# Altium PCB Pleiades_Frouf.PcbDoc (part 10 of 12) (continued)
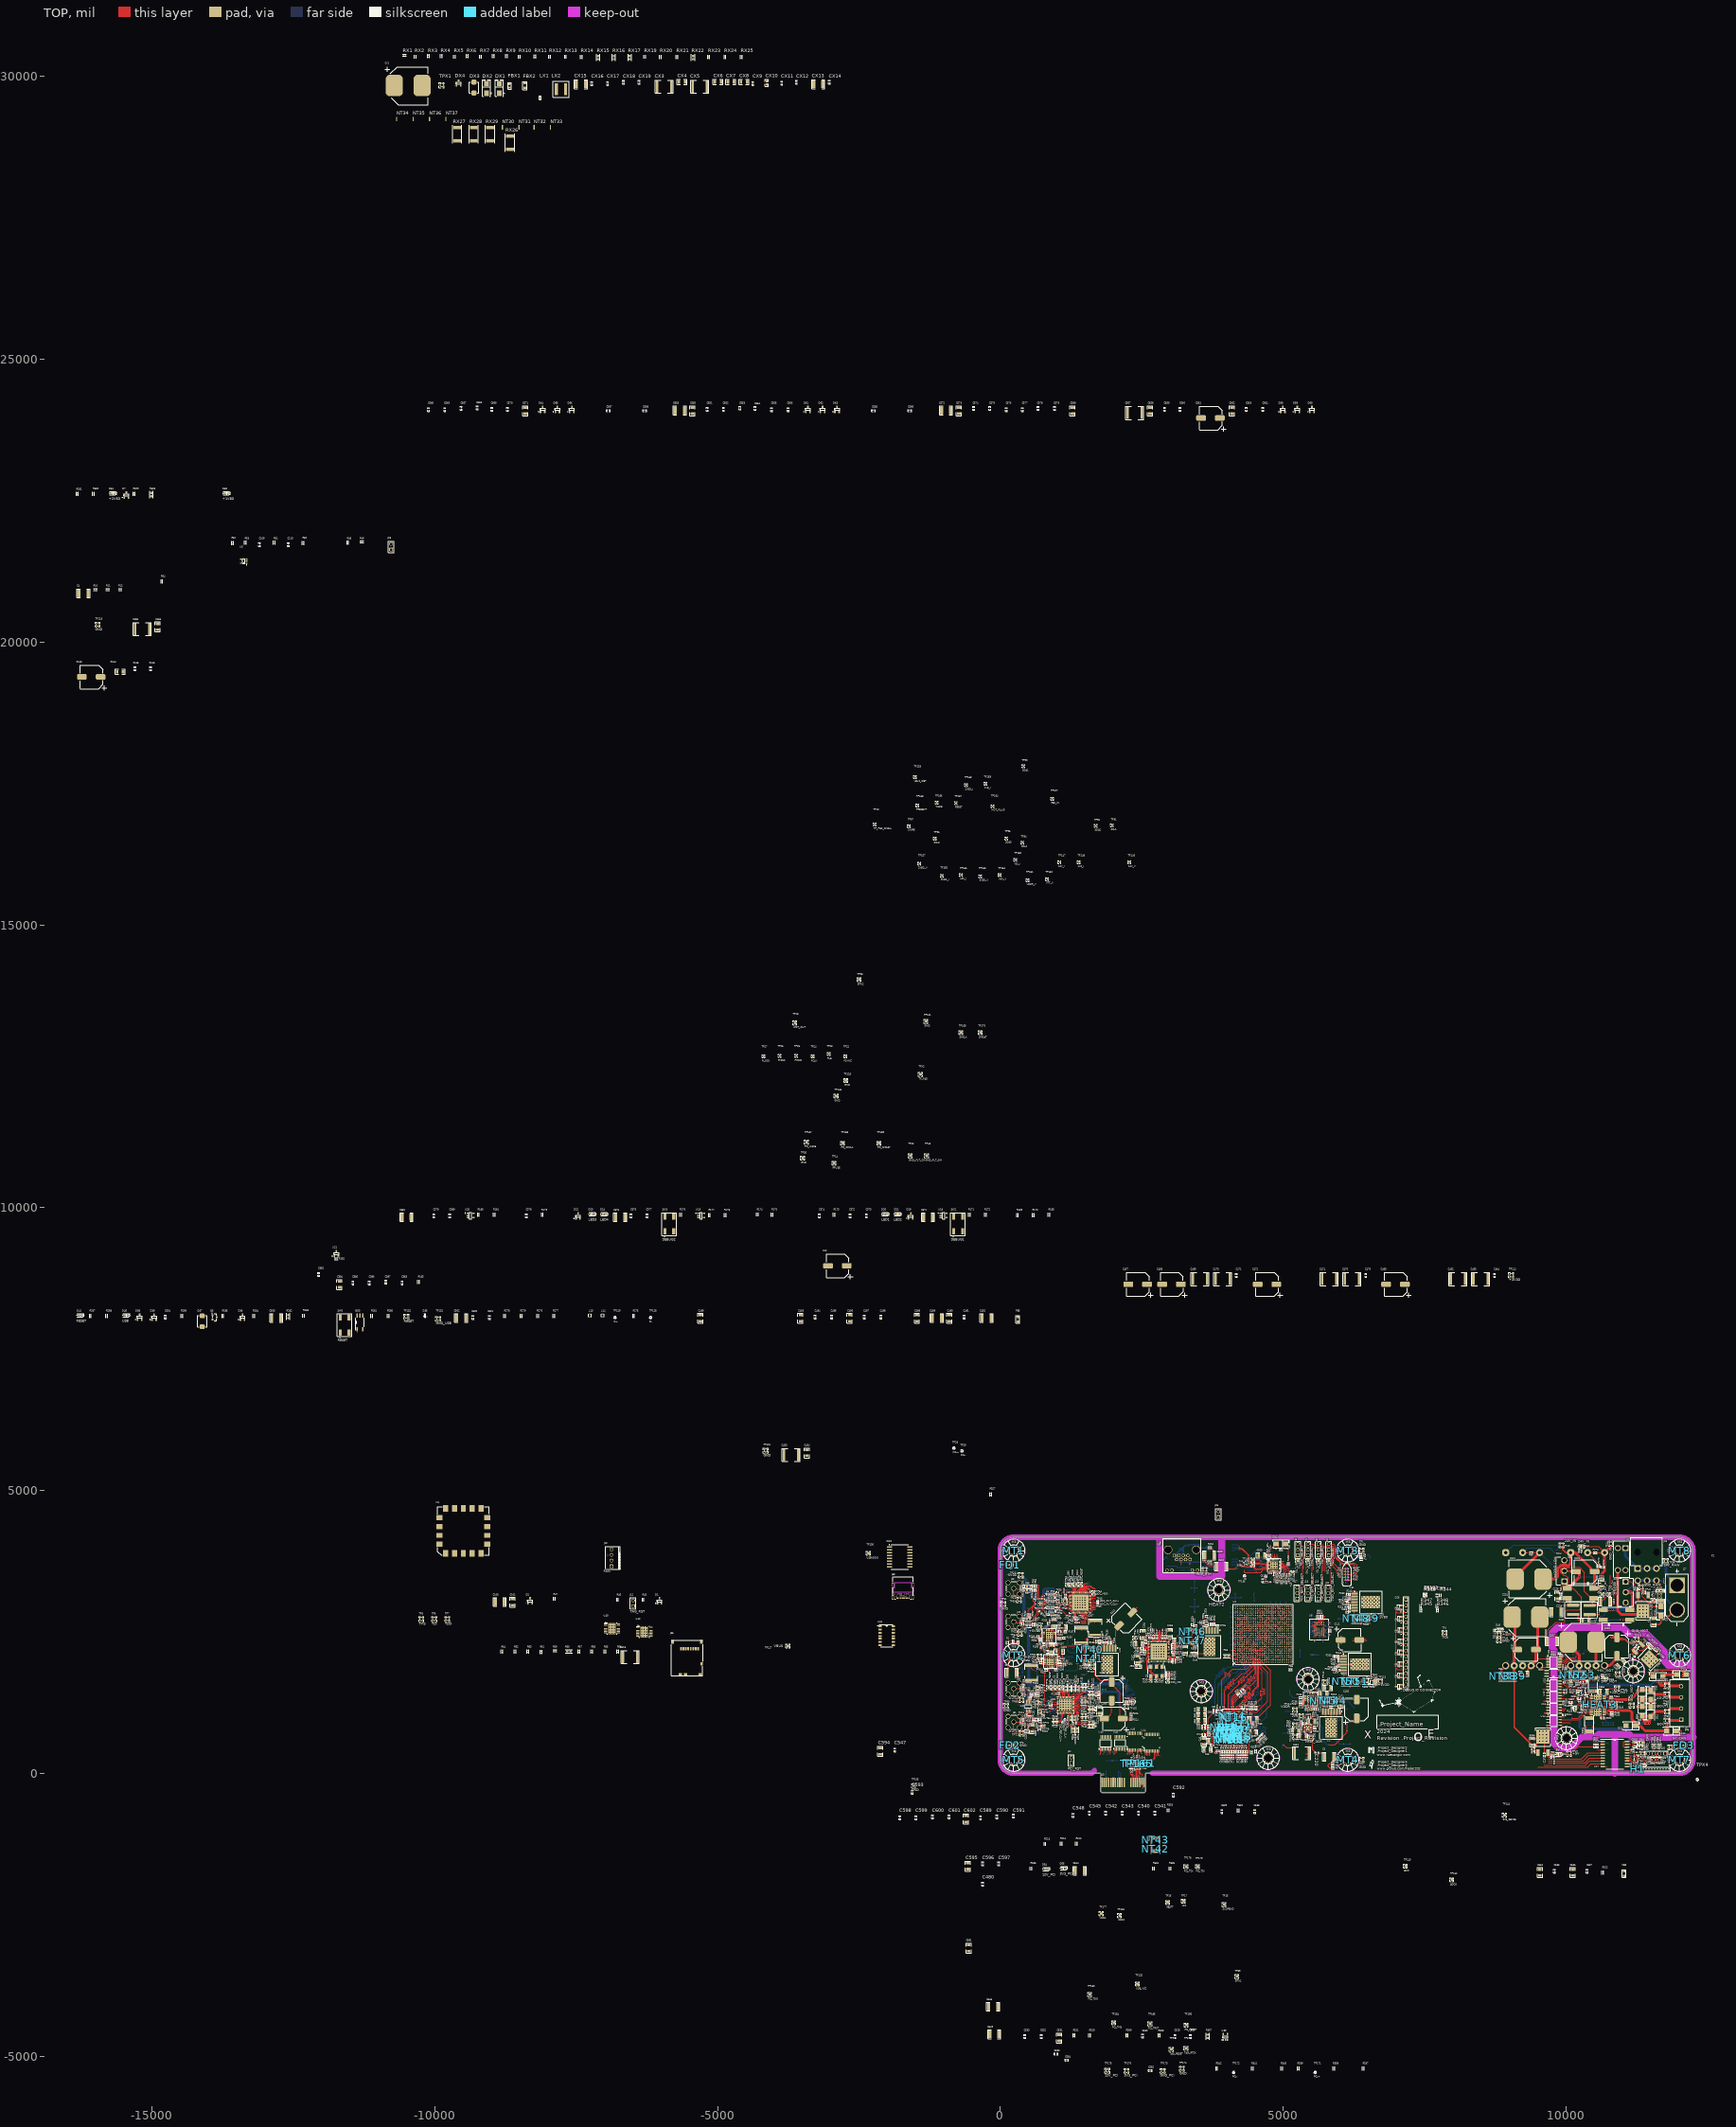
[diagram p0: TOP view]
## Nets (pads, with @x,y where several pads share a name; then routed paths per layer and width w, separated by ;. In a path a pad name is that pad's centre, name@x,y a point inside that pad or via, vN(x,y) a via of type N, cw(c..) or ccw(c..) an arc to the next point about the centre after c; other vN are vias at no path point) (continued)
  BOT w10: v1(9996.71,2117.44) U34.3@10062.95,2117.44 ; U35.2@10284.37,1607.92 10323.41,1607.92 v1(10334.56,1619.06) ; C478.2@10329.25,2187.86 10348.77,2187.86 v1(10369.19,2167.44)
  other v1: 10872.68,1028.1 11431.68,1173.67 10064.83,1189.15 11431.68,1302.46 9894.37,1848.57
  other v2: 10009.8,540 9969.69,550.97 10049.8,550.72 9940.51,580 10079.08,580 9929.8,620 10089.8,620 9940.51,660 10079.08,660 9969.8,689.28 10049.8,689.28 10009.8,700 11190.9,1721.1 11150.79,1732.07 11230.9,1731.82 11121.62,1761.1 11260.18,1761.1 11110.9,1801.1 11270.9,1801.1 11121.62,1841.1 11260.18,1841.1 11150.9,1870.38 11230.9,1870.38 11190.9,1881.1
  other v3: 10523.71,1027.66 10567.02,1027.66 10523.71,1070.96 10610.33,1114.27 10610.33,1157.58 10523.71,1200.89 10610.33,1200.89 10523.71,1244.19 10567.02,1244.19 10610.33,1244.19 10523.71,1287.5 10567.02,1287.5 10610.33,1287.5 10523.71,1330.81 10610.33,1330.81 10523.71,1374.11 10567.02,1374.11
  other v5: 11508.09,1900.48 11465.66,1942.9 11550.51,1942.9 11423.24,1985.33 11508.09,1985.33 11592.94,1985.33 11380.81,2027.76 11465.66,2027.76 11423.24,2070.18 11508.09,2070.18 11465.66,2112.61
GND_RAW: C227.2 C230.2 D3.2 J26.4 J26.5 J26.6 J27.2 L3.3 R83.2 SW1.2 TP41.1 | length 2950.1
  TOP w25: L3.3@11131.22,2888.58 11153.78,2866.02 v4(11225.98,2866.02) ; L3.3@11180,2915.45 11191.19,2904.26 v4(11225.98,2904.26) ; J26.4@11270,3405 11284.14,3390.86 11284.14,3337.6 TP41.1@11330,3291.73 11397.55,3224.18 R83.2@11397.55,3215.48 ; C230.2@11550.51,2627 11553.51,2630 v1(11623.15,2630) 11650,2630 11681.15,2661.15 v1(11681.15,2710) D3.2@11681.15,2782.54 11826.31,2782.54 11932.23,2888.46 J27.2@11967.87,2888.46 ; J26.6@11600.71,3405 11675,3330.71 C227.2@11675,3221
  TOP w60: SW1.2@11057.63,3201.05 v4(11144.85,3201.05) 11171.89,3174.02 v4(11171.89,3170.44) 11175.46,3170.44 11180,3165.9 L3.3@11180,2915.45
  BOT w25: SW1.2@11057.63,3201.05 SW1.2@11061.84,3201.05 ; J26.4@11265.79,3405 J26.4@11270,3405 ; J26.6@11590.55,3406.97 11692.69,3406.97 11775,3324.66 11775,3081.34 J27.2@11967.87,2888.46
  BOT w35: SW1.2@11061.84,3201.05 J26.4@11265.79,3405
  BOT w50: J26.4@11270,3406.97 J26.6@11590.55,3406.97
HOT_PLUG_16: J40.A1 J40.B17 TP164.1 U45.6 | length 256.9
  TOP w6: J40.B17@2505.91,-141.73 2505.91,-225.39 2522.51,-242 v7(2522.51,-261.6)
  BOT w6: v7(1772.51,-261.6) 1772.51,-246.06 1797.24,-221.33 J40.A1@1797.24,-141.73
HSI0_N: R332.2 U2.D5 U44.15
HSI0_P: R332.1 U2.E6 U44.16
HSO0_N: U2.A2 U44.13
HSO0_P: U2.A3 U44.14
INTRP: R290.2 U2.M21 U38.21 | length 183.8
  TOP w6: U2.M21@4590.55,2751.97 v1(4608.76,2770.17) ; U38.21@4940.47,3688.21 5093.11,3688.21 R290.2@5096.89,3684.43
IO0: D25.2 J37.2 U2.AF12 | length 111.7
  TOP w6: U2.AF12@5141.73,2397.64 v1(5159.34,2380)
  TOP w20: D25.2@7088.27,2967 7089.3,2968.03 7173.14,2968.03 J37.2@7174.17,2969.06
IO1: D26.2 J37.4 U2.AD12 | length 110.5
  TOP w6: U2.AD12@5062.99,2397.64 5063.71,2397.64 v1(5081.34,2380)
  TOP w20: D26.2@7090.17,2767 7091.2,2768.03 7173.14,2768.03 J37.4@7174.17,2769.06
IO2: D27.2 J37.6 U2.AD13 | length 112.1
  TOP w6: U2.AD13@5062.99,2437.01 5081.34,2418.66 v1(5082.61,2418.66) ; D27.2@7090.17,2567 D27.2@7092.22,2569.06
  TOP w20: D27.2@7092.22,2569.06 J37.6@7174.17,2569.06
IO3: D28.2 J37.8 U2.AC13 | length 115.2
  TOP w6: U2.AC13@5023.62,2437.01 5042.28,2418.35 v1(5042.28,2414.61)
  TOP w20: D28.2@7089.98,2366.93 7091.05,2367.99 7173.1,2367.99 J37.8@7174.17,2369.06
IO4: D29.2 J37.10 U2.AB13 | length 118.6
  TOP w6: v1(4960,2415) 4982.01,2437.01 U2.AB13@4984.25,2437.01
  TOP w20: D29.2@7090.17,2172 7091.64,2170.53 7172.7,2170.53 J37.10@7174.17,2169.06
IO5: D30.2 J37.12 U2.AA13 | length 113.8
  TOP w6: v1(4924.25,2456.7) 4943.94,2437.01 U2.AA13@4944.88,2437.01
  TOP w20: D30.2@7089.98,1967 7091.01,1968.03 7173.14,1968.03 J37.12@7174.17,1969.06
IO6: D31.2 J37.14 U2.Y13 | length 115.6
  TOP w6: v1(4883.82,2458.74) U2.Y13@4905.51,2437.05
  TOP w20: D31.2@7090.17,1767 7091.2,1768.03 7173.14,1768.03 J37.14@7174.17,1769.06
IO7: D32.2 J37.16 U2.W13 | length 111.7
  TOP w6: U2.W13@4866.14,2437.01 4866.65,2437.01 v1(4885,2418.66)
  TOP w20: D32.2@7089.8,1567 7090.83,1568.03 7173.14,1568.03 J37.16@7174.17,1569.06
LDM: NT16.2 U1.E7 U2.J3 | length 3142.2
  TOP w8.89: v1(4147.02,977.75) 4147.86,977.75 4155.79,969.82 4171.92,969.82 U1.E7@4173.23,968.5 ; v1(4458.48,2029.04) 4458.48,2029.19 4472.44,2043.16 U2.J3@4472.44,2043.31
  IN1 w5.75: v1(4147.02,977.75) 4148.17,978.9 4148.17,998.26 4154.46,1004.55 4156.49,1006.58 ccw(c4147.39,1015.69) 4156.49,1024.79 4139.35,1041.94 cw(c4148.45,1051.04) 4139.35,1060.15 cw(c4148.45,1051.04) 4157.56,1060.15 4178.71,1038.99 ccw(c4187.82,1048.1) 4196.92,1038.99 ccw(c4187.82,1048.1) 4196.92,1057.2 4180.64,1073.48 cw(c4189.75,1082.59) 4180.64,1091.7 cw(c4189.75,1082.59) 4198.85,1091.7 4211.12,1079.43 ccw(c4220.23,1088.53) 4229.34,1079.43 4245.2,1095.29 4279.96,1130.05 4279.96,1135.86 4279.96,1138.74 ccw(c4267.08,1138.74) 4267.08,1151.62 4265.33,1151.62 cw(c4265.33,1164.49) 4265.33,1177.37 4344.68,1177.37 ccw(c4344.68,1190.25) 4344.68,1203.13 4265.33,1203.13 cw(c4265.33,1216) 4265.33,1228.88 4344.68,1228.88 ccw(c4344.68,1241.76) 4344.68,1254.63 4265.33,1254.63 cw(c4265.33,1267.51) 4265.33,1280.39 4344.68,1280.39 ccw(c4344.68,1293.27) 4344.68,1306.14 4265.33,1306.14 cw(c4265.33,1319.02) 4265.33,1331.9 4344.68,1331.9 ccw(c4344.68,1344.78) 4344.68,1357.65 4265.33,1357.65 cw(c4265.33,1370.53) 4265.33,1383.41 4267.08,1383.41 ccw(c4267.08,1396.28) 4279.96,1396.28 4279.96,1421.63 4279.96,1440.34 4279.96,1443.22 ccw(c4267.08,1443.22) 4267.08,1456.1 4264.87,1456.1 cw(c4264.87,1468.97) 4264.87,1481.85 4304.27,1481.85 ccw(c4304.27,1494.73) 4304.27,1507.61 4264.87,1507.61 cw(c4264.87,1520.48) 4264.87,1533.36 4304.27,1533.36 ccw(c4304.27,1546.24) 4304.27,1559.11 4264.87,1559.11 cw(c4264.87,1571.99) 4264.87,1584.87 4304.27,1584.87 ccw(c4304.27,1597.75) 4304.27,1610.62 4264.87,1610.62 cw(c4264.87,1623.5) 4264.87,1636.38 4304.27,1636.38 ccw(c4304.27,1649.26) 4304.27,1662.13 4264.87,1662.13 cw(c4264.87,1675.01) 4264.87,1687.89 4304.27,1687.89 ccw(c4304.27,1700.76) 4304.27,1713.64 4264.87,1713.64 cw(c4264.87,1726.52) 4264.87,1739.4 4304.27,1739.4 ccw(c4304.27,1752.27) 4304.27,1765.15 4264.87,1765.15 cw(c4264.87,1778.03) 4264.87,1790.91 4304.27,1790.91 ccw(c4304.27,1803.78) 4304.27,1816.66 4264.87,1816.66 cw(c4264.87,1829.54) 4264.87,1842.42 4296.66,1842.42 ccw(c4296.66,1855.29) 4296.66,1868.17 4264.87,1868.17 cw(c4264.87,1881.05) 4264.87,1893.92 ; 4264.87,1893.92 ccw(c4259.88,1915.33) 4276.87,1901.39 4284.95,1911.23 cw(c4301.94,1897.29) 4286.38,1912.82 4296.61,1923.04 4321.52,1947.96 4321.52,2024.73 4335.52,2038.73 4354.25,2038.73 4360.49,2044.97 4392.96,2044.97 4396.04,2041.89 4408.42,2041.89 4421.27,2029.04 v1(4458.48,2029.04)
LDQS_N: U1.F3 U2.F1 | length 1794.6
  TOP w7.01: U1.F3@4047.24,937.01 4062.88,952.65 4077.29,952.65 v1(4077.9,953.25) ; U2.F1@4354.33,1964.57 4354.33,1965.64 4365.47,1976.78 v1(4365.47,1977.85)
  BOT w7.01: v1(4077.9,953.25) 4078.85,952.3 4082.37,952.3 4086.17,948.5 4119.76,948.5 4130.91,959.65 4130.91,982.16 4167.42,1018.67 4167.42,1326.59 4185.32,1344.49 4192.04,1351.22 ccw(c4174,1369.27) 4192.04,1387.31 4164.7,1414.65 cw(c4174.25,1424.2) 4164.7,1433.76 cw(c4174.25,1424.2) 4183.81,1433.76 4267.51,1350.05 ccw(c4285.56,1368.1) 4303.56,1350 4303.6,1350.05 ccw(c4285.56,1368.1) 4303.6,1386.15 4219.9,1469.85 cw(c4229.45,1479.4) 4219.9,1488.95 cw(c4229.45,1479.4) 4239,1488.95 4322.71,1405.25 ccw(c4340.75,1423.3) 4358.75,1405.2 4358.8,1405.25 ccw(c4340.75,1423.3) 4358.8,1441.34 4330.04,1470.11 cw(c4339.59,1479.66) 4330.04,1489.21 4363.46,1522.63 4363.71,1522.63 4372.25,1531.17 4372.12,1531.3 4372.52,1531.7 4372.52,1797.84 4357.38,1812.99 4357.38,1877.8 4357.38,1952.43 4352.41,1957.4 4352.41,1967.59 4360.19,1975.38 4361.65,1975.38 4364.12,1977.85 v1(4365.47,1977.85)
LDQS_P: U1.G3 U2.F3 | length 1881.7
  TOP w7.01: U1.G3@4047.24,905.51 4047.51,905.51 v1(4061.02,919.02) ; U2.F3@4354.33,2043.31 4354.82,2043.31 4369.08,2029.04 4371.74,2029.04 v1(4372.69,2028.09)
  BOT w7.01: v1(4061.02,919.02) 4061.02,920.37 4065.73,925.08 4065.73,941 4063.39,943.34 4063.39,959.26 4071.89,967.76 4083.91,967.76 4091.15,960.52 4114.78,960.52 4118.89,964.63 4118.89,987.14 4155.41,1023.65 4155.41,1331.57 4176.82,1352.99 4183.55,1359.71 ccw(c4174,1369.27) 4183.55,1378.82 4156.21,1406.16 cw(c4174.25,1424.2) 4156.16,1442.2 4156.21,1442.25 cw(c4174.25,1424.2) 4192.3,1442.25 4276.01,1358.55 ccw(c4285.56,1368.1) 4295.11,1358.55 ccw(c4285.56,1368.1) 4295.11,1377.65 4211.4,1461.35 cw(c4229.45,1479.4) 4211.36,1497.4 4211.4,1497.45 cw(c4229.45,1479.4) 4247.5,1497.45 4331.2,1413.74 ccw(c4340.75,1423.3) 4350.3,1413.74 ccw(c4340.75,1423.3) 4350.3,1432.85 4321.57,1461.58 ; 4321.57,1461.58 cw(c4339.59,1479.66) 4321.59,1497.75 4354.96,1531.13 4354.96,1531.38 4360.15,1536.57 4360.15,1543.26 4360.15,1793.22 4345.36,1808.01 4345.36,1877.8 4345.36,1947.45 4340.39,1952.42 4340.39,1972.57 4350.99,1983.16 4350.99,1983.88 4372.69,2005.58 v1(4372.69,2028.09)
M0_8: R55.2 R57.1 U2.AF22 | length 25.6
  TOP w6: U2.AF22@5141.73,2791.34 5142.36,2791.34 v1(5160,2808.98)
M1_8: R56.2 R58.1 U2.AD16 | length 32.4
  TOP w6: U2.AD16@5062.99,2555.12 5085,2533.11 v1(5085,2531.85)
MDC: U2.R23 U38.12 | length 117.8
  TOP w6: U2.R23@4708.66,2830.71 4730,2809.37 v1(4730,2808.98) ; v1(4820.66,3501.23) 4822.24,3501.23 4834.17,3513.16 U38.12@4834.17,3581.92
MDIO: R289.2 U2.AB24 U38.11 | length 194.9
  TOP w6: v1(4814.49,3526.58) U38.11@4814.49,3581.92
  BOT w6: v1(4814.49,3526.58) 4814.49,3557.61 4838.8,3581.92 R289.2@4912.91,3581.92
MISO: TP54.1 U2.R5 U8.64 | length 98.4
  TOP w6: U8.64@1587.36,3164.4 1614.99,3192.02 TP54.1@1674.27,3192.02
MOSI: TP53.1 U2.T4 U8.14 | length 173.9
  TOP w6: TP53.1@1265.2,3341.83 1281.2,3341.83 1302.91,3320.12 U8.14@1302.91,3192.94
MOT_ADC_VREF_22: R265.2 R267.1 U34.2 | length 188.4
  TOP w8: R267.1@9902.95,2122.47 9934.95,2090.47 R265.2@9934.95,2081.59 9978.49,2081.59 v1@9993.09,2066.99
  BOT w10: v1@9993.09,2066.99 9993.31,2067.22 10062.73,2067.22 U34.2@10062.95,2067.44
  other v1: 9993.2,2067.11
MOT_AMP_VREF_22: R266.2 R268.1 U35.1 | length 272.8
  TOP w8: R268.1@10217.01,1594.87 10217.01,1630.78 v1(10255.18,1668.95) 10282.07,1642.06 R266.2@10370.6,1642.06
  BOT w8: v1(10255.18,1668.95) 10255.18,1667.87 10265.65,1657.4 10265.65,1637.26 10269.4,1633.51 U35.1@10284.37,1633.51
MOT_CURR_SPI.\CS: U2.U23 U33.3 | length 29.5
  TOP w6: U2.U23@4787.4,2830.71 4787.4,2829.12 v1(4807.16,2809.37)
MOT_CURR_SPI.DO: U2.U21 U33.6 | length 27.8
  TOP w6: U2.U21@4787.4,2751.97 4787.71,2751.97 v1(4807.16,2732.52)
MOT_CURR_SPI.FS: U2.T18 U33.4 | length 25.3
  TOP w6: U2.T18@4748.03,2633.86 4748.03,2632.59 v1(4765,2615.62)
MOT_CURR_SPI.SCLK: U2.T19 U33.5 | length 29.7
  TOP w6: U2.T19@4748.03,2673.23 4767.29,2653.96 v1(4769.8,2653.96)
NetC1_1: C1.1 MT2.1 R1.1 R2.1 R3.1 | length 587.6
  TOP w6: C1.1@122.22,1778.74 139.85,1796.36 139.85,1890.08 139.92,1890.15 139.92,1895.12 138.22,1896.82 153.57,1912.17 153.57,2003.96 172.85,2023.25 190.31,2023.25 v2(196.22,2017.33) ; R1.1@122.22,2289.68 167.66,2289.68 189.37,2311.4 R3.1@229.67,2311.4 ; R3.1@234.81,2306.25 R3.1@229.67,2311.4 ; MT2.1@236.22,2086.61 v2(236.22,2166.61) ; R2.1@316.22,2300.19 314.6,2300.19 303.39,2311.4 R3.1@229.67,2311.4
  other v2: 236.22,2006.61 276.22,2017.33 166.94,2046.61 305.5,2046.61 156.22,2086.61 316.22,2086.61 167.19,2126.72 305.5,2126.61 196.22,2155.9 276.22,2155.9
NetC2_1: C2.1 MT3.1 R4.1 R5.1 R6.1 | length 433.3
  TOP w6: R6.1@6355.98,3868.63 6355.98,3794.69 6362.73,3787.94 R4.1@6362.73,3786.32
  BOT w20: MT3.1@6091.73,3947 6191.72,3947 6337.16,3801.56 C2.1@6379.69,3801.56
  other v2: 6141.73,3857.01 6101.73,3867.73 6181.73,3867.73 6072.45,3897.01 6211.01,3897.01 6061.73,3937.01 6221.73,3937.01 6072.7,3977.12 6211.01,3977.01 6101.73,4006.29 6181.73,4006.29 6141.73,4017.01
NetC3_1: C3.1 MT4.1 R7.1 R8.1 R9.1 | length 526.8
  TOP w6: R8.1@5860.31,89.93 R7.1@5860.31,134.11 ; R8.1@5860.43,89.82 5860.35,89.9 5824.67,89.9 5800.46,114.11 5800.46,154.91 5824.67,179.11 R9.1@5860.2,179.11 5860.2,201.68 C3.1@5917.24,258.72 ; C3.1@5896.42,295 5896.42,279.55 C3.1@5917.24,258.72 ; v2(6061.73,236.22) 5955.2,236.22 5936.08,255.34 5920.62,255.34 C3.1@5917.24,258.72
  other v2: 6141.73,156.22 6101.73,166.94 6181.73,166.94 6072.45,196.22 6211.01,196.22 6221.73,236.22 6072.7,276.33 6211.01,276.22 6101.73,305.5 6181.73,305.5 6141.73,316.22
NetC4_1: C4.1 MT5.1 R10.1 R11.1 R12.1
  other v2: 236.22,156.22 196.22,166.94 276.22,166.94 166.94,196.22 305.5,196.22 156.22,236.22 316.22,236.22 167.19,276.33 305.5,276.22 196.22,305.5 276.22,305.5 236.22,316.22
NetC93_1: C93.1 R37.2 R42.2 | length 84.8
  BOT w6: R42.2@4639.25,797.01 R42.2@4640.88,795.38 4655.48,809.99 4667.8,809.99 C93.1@4672.6,814.8 4669.02,818.38 4658.39,818.38 R37.2@4639.25,837.52
NetC151_1: C151.1 R69.1 U4.40 | length 106
  TOP w6: C151.1@2560,2169.23 2561.08,2169.23 2568.74,2161.57 U4.40@2625,2161.57
  TOP w10: R69.1@2522.5,2170 2522.88,2169.62 2559.62,2169.62 C151.1@2560,2169.23
NetC151_2: C151.2 C152.2 U4.41 | length 107.4
  TOP w6: C151.2@2560,2134.23 2561.08,2134.23 2568.74,2141.89 U4.41@2625,2141.89
  TOP w10: C152.2@2522.5,2130 2524.62,2132.12 2557.88,2132.12 C151.2@2560,2134.23
NetC152_1: C152.1 R69.2 | length 40
  TOP w10: C152.1@2487.5,2130 R69.2@2487.5,2170
NetC159_1: C159.1 U4.38 | length 156
  TOP w10: C159.1@2502.49,2278.49 2502.49,2276.18 2520.77,2257.9 2534.95,2257.9 2591.9,2200.94 U4.38@2625,2200.94
NetC160_1: C160.1 U4.4 | length 92.8
  TOP w10: U4.4@2977.36,2063.15 v1(3032,2063.15)
  BOT w10: v1(3032,2063.15) 3052.51,2063.15 C160.1@3065,2075.63
NetC161_1: C161.1 U4.48 | length 252.3
  TOP w6: v1(2625,1975.55) U4.48@2625,2004.09
  BOT w6: v1(2625,1975.55) 2625,1956.2 2629.52,1951.68 2629.52,1886.82 2635.96,1880.38 2655.08,1880.38 2661.52,1886.82 2661.52,1905.93 2660.51,1906.94 2660.51,1913.66 2664.03,1917.18 C161.1@2727.57,1917.18
NetC230_1: C230.1 Q2.1 R82.1 | length 292.2
  TOP w12: C230.1@11550.51,2733 11560.51,2733 11576.51,2749 11576.51,2759 11583,2765.48 11583,2838.07 11607.47,2862.54 v4(11610.15,2862.54)
  BOT w25: v4(11610.15,2862.54) 11610.19,2862.5 R82.1@11650,2862.5 11691.5,2862.5 11710,2881 Q2.1@11710,2904
NetC238_2: C238.2 U8.25 | length 142.6
  TOP w6: v1(1169,2990.96) 1184.96,3006.92 U8.25@1235,3006.92
  BOT w6: C238.2@1100.7,2994.97 1103.56,2992.11 1167.85,2992.11 v1(1169,2990.96)
NetC239_2: C239.2 U8.26 | length 129.4
  TOP w6: v1(1175,2965.14) 1197.09,2987.23 U8.26@1235,2987.23
  BOT w6: C239.2@1118.2,2956.85 1166.72,2956.85 v1(1175,2965.14)
NetC241_1: C241.1 R93.2 TP59.1 U8.29 | length 532.2
  TOP w6: R93.2@931.31,3171.49 931.68,3171.12 968.6,3171.12 C241.1@968.98,3170.74 996.91,3170.74 TP59.1@1015.63,3189.46 v1(1052.01,3189.46) ; v1(1142.84,2973.45) 1160.95,2955.34 1160.95,2945.14 1177.91,2928.18 U8.29@1235,2928.18
  IN1 w3.5: v1(1052.01,3189.46) 1054.04,3191.49 1071.59,3191.49 1083.2,3179.89 1083.2,3016.09 1103.2,2996.09 1134.92,2996.09 1142.84,2988.17 v1(1142.84,2973.45)
NetC241_2: C241.2 C242.1 | length 42.5
  TOP w6: C242.1@968.98,3093.2 C241.2@968.98,3135.74
NetC242_2: C242.2 R99.2 TP62.1 U8.30 | length 449.5
  TOP w6: R99.2@929.88,3057.19 930.38,3057.7 968.47,3057.7 C242.2@968.98,3058.2 998.62,3058.2 999.63,3057.19 TP62.1@1017.01,3057.19 1045.82,3057.19 v1(1052.01,3051) ; v1(1030.9,2980.13) 1097.57,2980.13 1169.21,2908.49 U8.30@1235,2908.49
  IN1 w3.5: v1(1030.9,2980.13) 1048.91,2980.13 1052.01,2983.23 v1(1052.01,3051)
NetC257_1: C257.1 R104.2 TP63.1 U8.19 | length 583.2
  TOP w6: R104.2@936.81,2928.06 937.56,2928.81 978.56,2928.81 C257.1@979.31,2929.56 1010.55,2929.56 1022.97,2917.14 TP63.1@1027.01,2917.14 1010.55,2900.68 v1(1010.55,2890.09) ; v1(1190.37,3135.74) 1201.07,3125.03 U8.19@1235,3125.03
  IN1 w3.5: v1(1010.55,2890.09) 1059.51,2939.05 1060.35,2939.89 1128.47,2948.81 1129.31,2948.81 1129.88,2948.61 1169.8,2934.31 1171.85,2934.31 1187.62,2950.08 1187.62,3072.76 1175.4,3084.98 1175.4,3120.77 v1(1190.37,3135.74)
NetC257_2: C257.2 C258.1 | length 49.9
  TOP w6: C258.1@979.31,2844.69 C257.2@979.31,2894.56
NetC258_2: C258.2 R110.2 TP65.1 U8.20 | length 647.2
  TOP w6: R110.2@939.54,2810.99 940.18,2810.34 978.66,2810.34 C258.2@979.31,2809.69 1010.93,2809.69 1021.3,2799.33 1021.3,2786.05 TP65.1@1025.63,2781.72 1025.63,2751.29 1022.97,2748.63 v1(1022.97,2747.01) ; v1(1200,3102.36) 1201.62,3102.36 1204.6,3105.34 U8.20@1235,3105.34
  IN1 w3.5: v1(1022.97,2747.01) 1092.68,2747.01 1197.5,2851.82 1198.52,2852.85 1198.52,2855.75 1194.36,2958.74 cw(c1210.1,2959.37) 1194.36,2960 v1(1200,3102.36)
NetC294_1: C294.1 L9.2 R112.1 | length 81
  TOP w6: R112.1@564.39,1376.66 565.34,1377.61 604.56,1377.61 C294.1@605.51,1378.56 632.38,1378.56 639.88,1371.06 L9.2@641.5,1371.06
NetC294_2: C294.2 L10.2 R114.1 | length 79.8
  TOP w6: R114.1@564.39,1415.35 565.28,1414.46 604.62,1414.46 C294.2@605.51,1413.56 607.61,1415.66 639.63,1415.66 L10.2@641.73,1417.76
NetC295_1: C295.1 L11.2 R119.1 | length 74.8
  TOP w6: R119.1@605.51,965.84 605.76,966.09 641.48,966.09 C295.1@641.73,966.34 641.85,966.22 679.88,966.22 L11.2@680,966.09
NetC295_2: C295.2 L12.2 R121.1 | length 82.2
  TOP w6: R121.1@605.51,925.45 608.46,928.4 638.78,928.4 C295.2@641.73,931.34 671.16,931.34 680.02,922.48 L12.2@681.65,922.48
NetC296_1: C296.1 R127.2 R128.2 | length 132.3
  TOP w6: R128.2@1503.17,1298.1 R128.2@1503.36,1297.91 ; R127.2@1503.54,1232.92 1503.36,1233.11 R128.2@1503.36,1297.91 ; C296.1@1557.65,1267.33 1533.94,1267.33 R128.2@1503.36,1297.91
NetC297_1: C297.1 R130.2 R133.2 | length 126.3
  TOP w6: R133.2@1636.89,1165.49 1637.23,1165.15 1637.23,1099.5 R130.2@1637.57,1099.15 1660.21,1121.79 C297.1@1687.83,1121.79
NetC298_1: C298.1 R131.2 R134.2 | length 122.7
  TOP w6: R131.2@1631.67,830.06 R131.2@1632.55,830.93 ; R134.2@1633.43,900.33 1632.55,899.45 R131.2@1632.55,830.93 ; C298.1@1679.43,842.56 1677.57,840.7 1642.31,840.7 R131.2@1632.55,830.93
NetC299_1: C299.1 R132.2 R135.2 | length 129.9
  TOP w6: R135.2@1511.11,1560.7 R132.2@1511.11,1495.62 1542.27,1526.78 C299.1@1562.99,1526.78
NetC300_1: C300.1 R136.2 R139.2 | length 143.3
  TOP w6: C300.1@1324.27,675.53 1306.52,675.53 1294.27,687.78 R136.2@1294.27,731.91 R139.2@1358.35,731.91
NetC301_1: C301.1 R137.2 R140.2 | length 131.7
  TOP w6: R140.2@1509.82,1037.62 1510.03,1037.4 1510.03,971.28 R137.2@1510.25,971.07 1541.53,1002.34 C301.1@1562.3,1002.34
NetC302_1: C302.1 R138.2 R141.2 | length 131.1
  TOP w6: R141.2@1300.99,1526.17 1302.36,1527.55 1367.48,1527.55 R138.2@1368.85,1528.92 1338.85,1558.92 C302.1@1338.85,1578.56
NetC303_1: C303.1 U10.42 | length 113.2
  TOP w6: C303.1@905.81,1219.56 906.58,1218.79 1017.58,1218.79 U10.42@1018.35,1218.03
NetC304_1: C304.1 R143.2 R146.2 | length 135.8
  TOP w6: R143.2@1244.16,944.73 R146.2@1313.02,944.73 1326.3,931.45 1326.3,900.72 1327.37,899.65 1327.37,888.15 C304.1@1330.52,885
NetC305_1: C305.1 R144.2 R147.2 | length 130.2
  TOP w6: R147.2@1637.45,1428.13 1637.17,1427.85 1637.17,1363.41 1639.29,1363.41 1656.51,1380.63 C305.1@1695.43,1380.63
NetC306_1: C306.1 R145.2 R148.2 | length 139
  TOP w6: C306.1@1192.6,1581.07 1192.6,1563.62 R148.2@1157.01,1528.03 1157.06,1527.99 1228.16,1527.99 R145.2@1228.2,1527.94
NetC343_1: C343.1 R149.2 R152.1 U13.8 | length 413.9
  TOP w8: R149.2@10111.44,1169.12 10129.87,1169.12 10162.39,1201.65 10201.01,1201.65 10230.45,1231.08 10309.81,1231.08 10319.41,1221.49 10319.41,1210.53 C343.1@10322.68,1207.26 ; C343.1@10322.68,1206.71 10322.68,1189.43 10334.56,1177.56 R152.1@10364.03,1177.56 10394.11,1177.56 10404.65,1188.09 U13.8@10456.79,1188.09
NetC345_1: C345.1 U13.22 | length 91.3
  TOP w8: U13.22@10677.26,1213.68 10677.59,1214.01 10728.73,1214.01 v1(10729.06,1214.34)
  BOT w8: v1(10729.06,1214.34) 10729.38,1214.67 10767.67,1214.67 C345.1@10768,1215
NetC346_1: C346.1 U13.23 | length 233.8
  TOP w8: U13.23@10677.26,1239.27 10749.59,1239.27 10759.52,1229.34 10759.52,1219.28 10764.21,1214.6 10856.28,1214.6 10864.42,1222.74 10864.42,1232.54 C346.1@10876.68,1244.8
NetC346_2: C346.2 U13.24 | length 150.7
  TOP w8: U13.24@10677.26,1264.86 10759.52,1264.86 10779.59,1244.8 C346.2@10819.68,1244.8
NetC348_1: C348.1 U13.20 | length 148.3
  TOP w8: U13.20@10677.26,1162.5 10752.89,1162.5 10764.43,1174.03 C348.1@10820.74,1174.03
NetC364_1: C364.1 C365.1 FB3.1 U17.19 | length 325.4
  TOP w10: U17.19@11080.92,514.52 11083.26,516.86 v1(11156.55,516.86) 11185.79,516.86 C364.1@11220.52,482.13 11227.06,475.58 11291.65,475.58 FB3.1@11298.2,469.04
  BOT w10: C365.1@11084.92,478.86 11099.92,493.86 11133.55,493.86 v1(11156.55,516.86)
NetC364_2: C364.2 C365.2 FB4.1 U17.18 U17.20 | length 514.5
  TOP w10: U17.18@11080.92,464.52 11026.44,464.52 11021.92,469.04 11021.92,549.45 11033.01,560.55 11076.95,560.55 U17.20@11080.92,564.52 v1(11156.55,564.52) 11195.13,564.52 C364.2@11220.52,539.13 11220.66,538.99 11298.06,538.99 FB4.1@11298.2,538.85
  BOT w10: C365.2@11084.92,584.86 11136.22,584.86 v1(11156.55,564.52)
NetC396_1: C396.1 U22.6 | length 116.9
  TOP w4.33: C396.1@1755,2313.04 1757.26,2310.78 1757.26,2299.08 1782.37,2273.97 1782.37,2215.24 U22.6@1787.83,2209.78
NetC398_1: C398.1 C399.1 U23.14 | length 177.5
  TOP w6: U23.14@963.33,2461.77 1005.26,2461.77 1030.9,2487.41 1030.9,2552.97 1047.7,2569.76 C398.1@1047.7,2579.76
NetC401_1: C401.1 C402.1 U24.14 | length 250.6
  TOP w6: U24.14@982.17,2004.61 1020.9,2004.61 C402.1@1035.4,2019.11 1082.88,2019.11 1100.02,2036.25 C401.1@1100.02,2155.9
NetC410_2: C410.2 R216.2 R218.1 U26.3 | length 141.8
  BOT w12: C410.2@2183.46,1697.68 R216.2@2183.46,1655.89 ; U26.3@2191.52,1600.94 2191.52,1631.83 2184.43,1638.92 2184.43,1654.92 R216.2@2183.46,1655.89 ; R218.1@2225.2,1655.89 R216.2@2183.46,1655.89
NetC411_1: C411.1 U26.14 | length 223.7
  BOT w6: U26.14@2165.92,1411.96 2165.92,1356.34 2169.44,1352.83 C411.1@2332.53,1352.83
NetC428_1: C428.1 U27.6 | length 132.9
  TOP w6: U27.6@5750.46,1092.08 5750.46,1019.98 v1(5765.96,1004.48)
  BOT w6: C428.1@5729.06,999.68 5761.16,999.68 v1(5765.96,1004.48)
NetC431_1: C431.1 C432.1 R227.2 R228.1 TP107.1 U28.1 | length 173.8
  TOP w6: C432.1@5362.38,888.46 R228.1@5324.99,888.51 5324.93,888.46 R227.2@5324.88,852.45 R227.2@5324.88,852.45 v1(5357.26,852.45) 5372.79,836.92 U28.1@5379.88,836.92
  BOT w6: v1(5357.26,852.45) 5357.26,854.07 5362.27,859.08 C431.1@5362.27,889.25
NetC455_1: C455.1 C456.1 U29.14 | length 320.3
  BOT w6: C456.1@5602.64,1336.46 5628.52,1336.46 5634.29,1342.23 v1(5635.91,1342.23) 5669.16,1342.23 5718.96,1392.03 5718.96,1507.06 5722.48,1510.58 v1(5783.42,1510.58)
NetC457_1: C457.1 U30.6 | length 90.2
  TOP w6: U30.6@3595,2524.53 C457.1@3595,2614.75
NetC458_1: C458.1 U31.6 | length 99.4
  TOP w6: C458.1@6173.26,2902.5 6197.3,2902.5 6220.38,2925.58 U31.6@6263.09,2925.58
NetC459_1: C459.1 U32.6 | length 88.2
  TOP w6: C459.1@5983.19,1822.19 U32.6@6071.43,1822.19
NetC504_1: C504.1 D36.2 R280.2 R283.2 SW5.1 SW5.4 TP132.1
NetC507_1: C507.1 R291.2 R292.2 | length 420.9
  BOT w6: C507.1@2945.71,3665.67 3105.53,3665.67 3131.89,3639.3 R291.2@3195.71,3639.3 R292.2@3355.71,3639.3
NetC508_1: C508.1 R293.2 R294.2 | length 294.3
  TOP w6: R293.2@3722.5,3740 3776,3793.5 3776,3936.5 R294.2@3722.5,3990
NetC510_1: C510.1 TP136.1 U38.8 X1.2 | length 658.9
  TOP w6: TP136.1@4316.14,3490.27 v1(4316.14,3531.3) 4321.8,3536.97 4334.13,3549.29 4608.59,3549.29 4629.6,3570.3 4629.6,3583.52 4655.55,3609.47 U38.8@4747.56,3609.47 ; v1@4320.99,3537.78 4320.99,3594.16
  BOT w6: X1.2@4283.9,3454.71 4316.14,3486.95 v1(4316.14,3531.3)
NetC511_1: C511.1 TP135.1 U38.9 X1.1 | length 306.7
  TOP w6: C511.1@4647.17,3426.36 4686.72,3465.9 4686.72,3473.93 TP135.1@4693.95,3481.16 v1(4722.46,3509.67) 4773.2,3560.41 4773.2,3579.99 U38.9@4775.12,3581.92
  BOT w6: X1.1@4657.92,3454.71 4686.09,3454.71 4722.46,3491.08 v1(4722.46,3509.67)
NetC531_1: C531.1 R309.2 R311.1 U41.4
NetC538_2: C538.2 U44.5
NetC539_2: C539.2 U44.6
NetD4_1: D4.1 R89.2 | length 61.6
  TOP w12: R89.2@10250,3947.5 D4.1@10250,4009.13
NetD5_1: D5.1 R90.2 | length 68.1
  TOP w12: R90.2@9782.5,325 9805,325 9815,335 D5.1@9846.46,335
NetD18_1: D18.1 R164.2 | length 60.2
  TOP w10: R164.2@11285.12,131.78 11320.09,131.78 D18.1@11337.92,149.62
NetD18_2: D18.2 Q4.3 | length 191.8
  TOP w10: Q4.3@11289.49,259.32 11287.03,256.86 11287.03,234.43 11306.46,215 11368.49,215 11395.01,188.48 D18.2@11395.01,149.62
NetD20_1: D20.1 R169.2
NetD21_1: D21.1 R170.2
NetD23_1: D23.1 R177.2
NetD24_1: D24.1 R178.2
NetD33_1: D33.1 R272.2 | length 63.8
  TOP w10: D33.1@10659.83,1671.64 10659.83,1722.04 10668.92,1731.12 R272.2@10668.92,1731.66
NetD34_1: D34.1 R273.2 | length 69.9
  TOP w10: D34.1@11503.52,2239.64 11512.81,2239.64 11528.07,2224.38 11540.57,2224.38 R273.2@11559.31,2205.65
NetD40_1: D40.1 R284.2
NetD41_1: D41.1 R285.2
NetD45_1: D45.1 R313.2 | length 59.7
  TOP w8: R313.2@6585.16,1559.32 6608.07,1582.24 D45.1@6635.36,1582.24
NetD45_2: D45.2 Q6.3 | length 63.4
  TOP w8: Q6.3@6571.99,1639.32 D45.2@6635.36,1639.32
NetD46_1: D46.1 R314.2 | length 59.2
  TOP w8: R314.2@8740,2541.22 8796.9,2541.22 D46.1@8798.51,2542.83
NetD47_1: D47.1 R320.1 | length 107.9
  TOP w6: R320.1@2241.4,1264.4 D47.1@2295.35,1264.4 ; 2260.03,1322.83 2313.99,1322.83
NetD48_1: D48.1 R321.2 | length 145.6
  TOP w6: D48.1@3394.3,2116.32 3461.15,2183.17 R321.2@3461.15,2234.26
NetD49_1: D49.1 R322.2 | length 118.3
  TOP w6: 1334.78,1941.03 1376.66,1941.03 1390.27,1954.65 ; R322.2@1478.64,1961.49 1478.64,1910.88 D49.1@1483.3,1906.22
NetD50_1: D50.1 R327.2
NetD50_2: D50.2 Q7.3
NetD51_1: D51.1 R328.2
NetD54_1: D54.1 R334.2
NetD55_1: D55.1 R335.2
NetISO1_1: ISO1.1 Q3.3 R157.1 R158.1 | length 577.9
  TOP w8: ISO1.1@9896.92,1715 9901.61,1710.31 9955.04,1710.31 10035.9,1629.45 10035.9,1542.29 10088.41,1489.78 10220.9,1489.78 10225.59,1485.09 10225.59,1462.98 Q3.3@10267.29,1462.98 ; R157.1@10225.59,1419.97 R158.1@10225.59,1459.13
NetISO2_4: ISO2.4 R276.2
NetISO2_5: ISO2.5 R278.2
NetISO2_12: ISO2.12 R277.1
NetISO2_13: ISO2.13 R279.1
NetISO3_1: ISO3.1 R282.2
NetJ1_7: J1.7 TP8.1
NetJ1_10: J1.10 TP9.1
NetJ10_3: J10.3 R45.2
NetJ10_4: J10.4 R46.2
NetJ23_1: J23.1 R50.1
NetJ25_1: J25.1 TP18.1 U3.1
NetJ34_2: J34.2 R166.2 | length 138.5
  TOP w3: R166.2@11449.03,275.32 11449.03,250.64 11456.9,242.77 11550.29,242.77 J34.2@11556.84,236.22
NetJ38_A6: J38.A6 J38.B6 L13.1
NetJ38_A7: J38.A7 J38.B7 L13.4
NetJ39_11: J39.11 R305.1 | length 78.5
  BOT w6: R305.1@3318.14,3587.72 3320.42,3590 J39.11@3395.71,3590
NetL5_1: L5.1 U9.19 | length 150.5
  TOP w6: U9.19@752.24,3082.5 752.24,3155.49 768.24,3171.49 L5.1@823.16,3171.49
NetL5_2: L5.2 R93.1 | length 38.1
  TOP w6: L5.2@858.16,3171.49 R93.1@896.31,3171.49
NetL6_1: L6.1 U9.18 | length 42.2
  TOP w6: U9.18@783.74,3051 815.59,3051 821.79,3057.19 L6.1@823.41,3057.19
NetL6_2: L6.2 R99.1 | length 36.5
  TOP w6: L6.2@858.41,3057.19 R99.1@894.88,3057.19
NetL7_1: L7.1 U9.13 | length 62.4
  TOP w6: U9.13@783.74,2952.57 791.68,2952.57 792.55,2951.71 792.55,2931.76 796.25,2928.06 L7.1@824.29,2928.06
NetL7_2: L7.2 R104.1 | length 42.5
  TOP w6: L7.2@859.29,2928.06 R104.1@901.81,2928.06